# Altium PCB MB1428.PcbDoc (part 5 of 7) (continued)
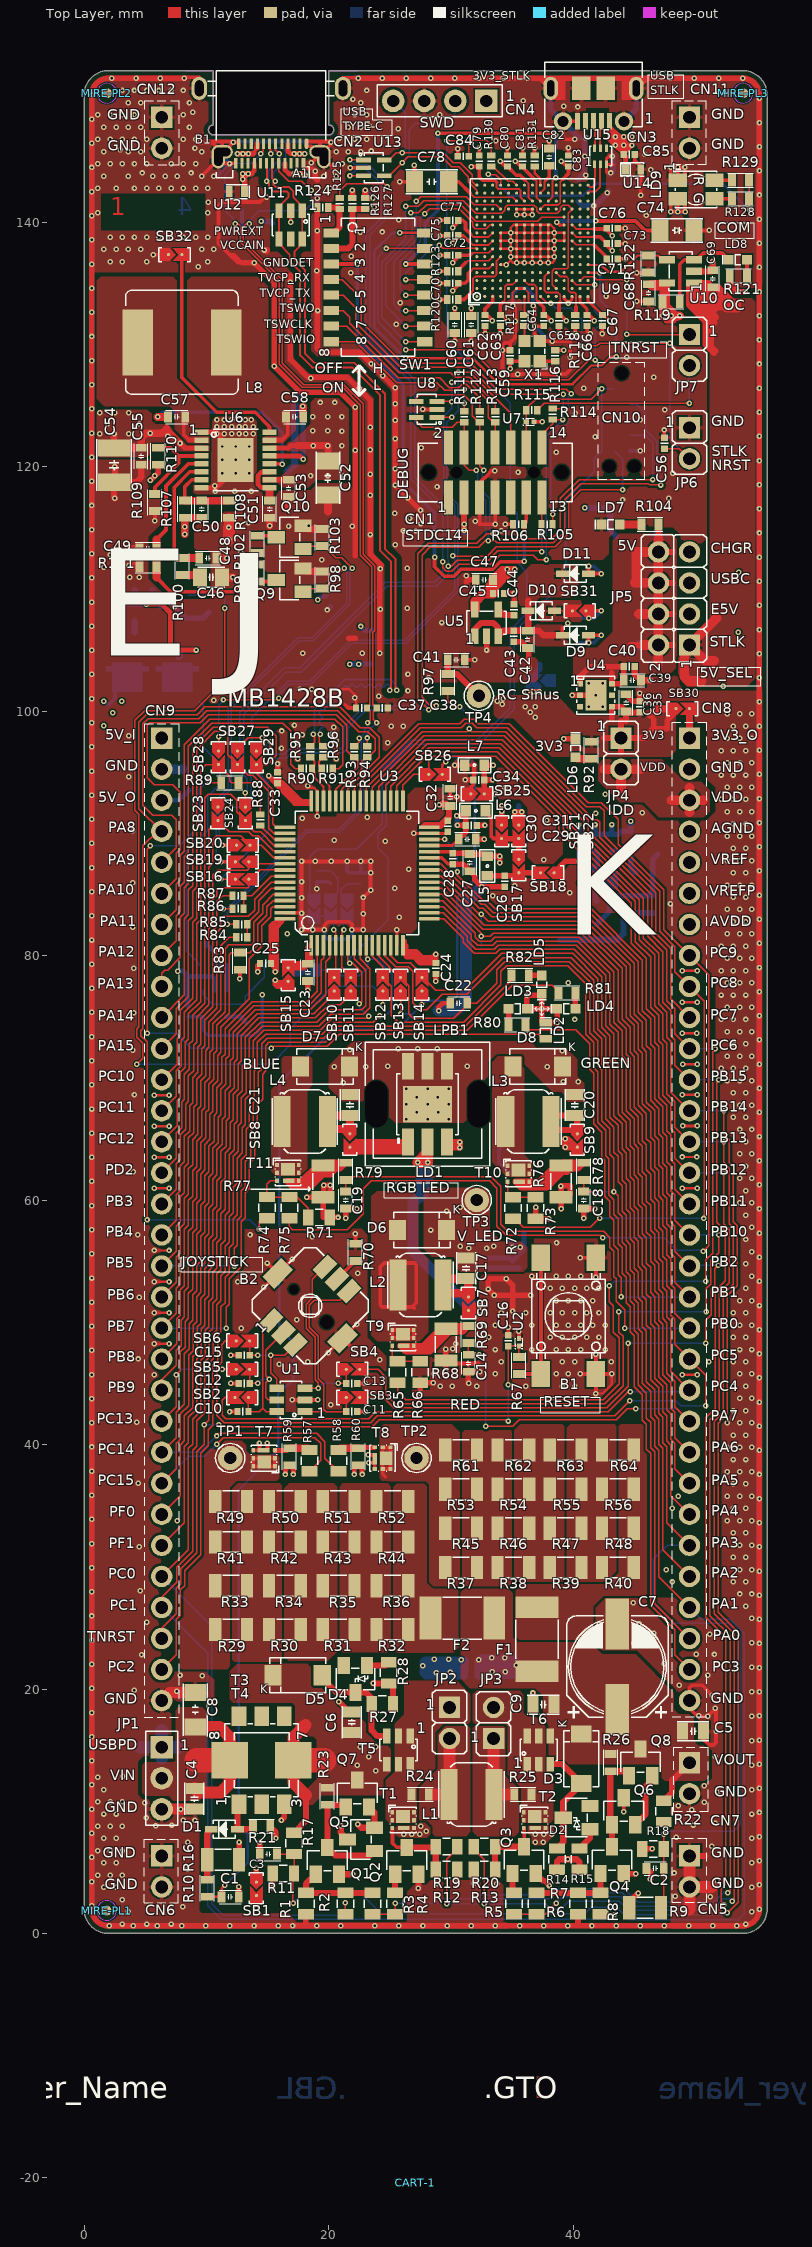
[diagram p0: Top Layer view]
## Nets (pads, with @x,y where several pads share a name; then routed paths per layer and width w, separated by ;. In a path a pad name is that pad's centre, name@x,y a point inside that pad or via, vN(x,y) a via of type N, cw(c..) or ccw(c..) an arc to the next point about the centre after c; other vN are vias at no path point) (continued)
  Top Layer w0.12: CN9.16@6.35,59.69 7.547,60.887 7.547,62.957 7.879,63.289 7.879,65.359 8.306,65.787 8.306,67.858 8.543,68.094 8.543,70.165 8.955,70.577 8.955,72.648 9.207,72.899 9.207,74.97 10.203,75.966 10.203,82.177 10.535,82.509 10.535,84.575 10.867,84.907 10.867,85.35 11.067,85.55 13.375,85.55 13.475,85.65 SB16.1@13.475,86.25 13.675,86.25 14.175,86.75 14.429,87.004 U3.56@16.439,87.004
PB4: CN9.17 R87.2 | length 30.6
  Top Layer w0.12: CN9.17@6.35,57.15 7.547,58.347 7.547,60.417 7.879,60.749 7.879,62.82 8.211,63.152 8.211,65.222 8.638,65.649 8.638,67.72 8.875,67.957 8.875,70.027 9.287,70.44 9.287,72.51 9.539,72.762 9.539,74.832 10.535,75.828 10.535,82.04 10.867,82.372 10.867,84.437 11.33,84.9 R87.2@12.15,84.9
PB5: CN9.18 R82.2 U3.58 | length 85.4
  Top Layer w0.12: CN9.18@6.35,54.61 7.547,55.807 7.547,57.877 7.879,58.209 7.879,60.275 8.211,60.607 8.211,62.682 8.543,63.014 8.543,65.084 8.97,65.512 8.97,67.583 9.207,67.819 9.207,69.89 9.619,70.302 9.619,72.373 9.871,72.624 9.871,74.695 10.867,75.691 10.867,81.902 11.199,82.234 11.199,82.974 11.425,83.2 13.422,83.2 13.947,83.725 13.947,84.622 15.329,86.004 U3.58@16.439,86.004 ; v1(12.3,54.6) 12.3,56.057 12.527,56.284 12.527,58.35 12.859,58.682 12.859,60.757 13.191,61.089 13.191,63.159 13.618,63.586 13.618,65.657 13.855,65.894 13.855,67.965 14.267,68.377 14.267,70.447 14.519,70.699 14.519,72.77 14.986,73.237 19.604,73.237 20.593,74.226 31.196,74.226 34.975,78.005 R82.2@34.975,78.375
  Bottom Layer w0.12: CN9.18@6.35,54.61 12.29,54.61 v1(12.3,54.6)
PB6: CN9.19 R84.2 | length 32.3
  Top Layer w0.12: CN9.19@6.35,52.07 7.547,53.267 7.547,55.337 7.879,55.669 7.879,57.74 8.211,58.072 8.211,60.137 8.543,60.469 8.543,62.545 8.875,62.877 8.875,64.947 9.302,65.374 9.302,67.445 9.539,67.682 9.539,69.752 9.951,70.165 9.951,72.235 10.203,72.487 10.203,74.557 11.199,75.553 11.199,80.824 11.875,81.5 R84.2@12.45,81.5
PB7: CN9.20 R81.2 U3.60 | length 97.4
  Top Layer w0.12: CN9.20@6.35,49.53 7.547,50.727 7.547,52.797 7.879,53.129 7.879,55.2 8.211,55.532 8.211,57.602 8.543,57.934 8.543,60 8.875,60.332 8.875,62.407 9.207,62.739 9.207,64.809 9.634,65.237 9.634,67.308 9.871,67.544 9.871,69.615 10.283,70.027 10.283,72.098 10.535,72.349 10.535,74.42 11.531,75.416 11.531,80.581 11.825,80.875 13.715,80.875 13.877,81.037 13.877,82.716 14.611,83.45 14.611,84.125 15.49,85.004 U3.60@16.439,85.004 ; v1(11.63,49.53) 11.63,51.246 11.863,51.479 11.863,53.55 12.859,54.546 12.859,58.212 13.191,58.544 13.191,60.62 13.523,60.952 13.523,63.022 13.95,63.449 13.95,65.52 14.187,65.757 14.187,67.827 14.599,68.239 14.599,70.31 14.851,70.562 14.851,72.632 15.124,72.905 19.742,72.905 20.731,73.894 31.333,73.894 35.014,77.575 38.3,77.575 38.8,77.075 R81.2@38.8,76.95
  Bottom Layer w0.12: CN9.20@6.35,49.53 v1(11.63,49.53)
PB8: CN9.21 R83.2 U3.61 | length 43.2
  Top Layer w0.12: CN9.21@6.35,46.99 7.6,48.24 7.6,50.31 7.879,50.589 7.879,52.66 8.211,52.992 8.211,55.062 8.543,55.394 8.543,57.465 8.875,57.797 8.875,59.862 9.207,60.194 9.207,62.27 9.539,62.602 9.539,64.672 9.966,65.099 9.966,67.17 10.203,67.407 10.203,69.477 10.615,69.89 10.615,71.96 10.867,72.212 10.867,74.282 11.863,75.278 11.863,80.075 12.038,80.25 R83.2@12.75,80.25 13.559,80.25 14.209,80.9 14.209,82.578 14.943,83.312 14.943,83.988 15.459,84.504 U3.61@16.439,84.504
PB9: CN9.22 U3.62 | length 44.3
  Top Layer w0.12: CN9.22@6.35,44.45 6.35,45.297 7.55,46.497 7.55,47.72 7.932,48.102 7.932,50.173 8.211,50.452 8.211,52.522 8.543,52.854 8.543,54.925 8.875,55.257 8.875,57.327 9.207,57.659 9.207,59.725 9.539,60.057 9.539,62.132 9.871,62.464 9.871,64.534 10.298,64.962 10.298,67.033 10.535,67.269 10.535,69.34 10.947,69.752 10.947,71.823 11.199,72.074 11.199,74.145 13.522,76.468 13.522,79.743 14.541,80.762 14.541,82.441 15.275,83.175 15.275,83.85 15.429,84.004 U3.62@16.439,84.004
PB10: CN8.17 SB4.2 U3.30 | length 93.3
  Top Layer w0.12: SB4.2@22.55,46.15 24.05,46.15 24.675,45.525 24.675,44.125 25.457,43.343 42.613,43.343 44.095,44.825 44.095,48.861 43.75,49.206 v1(43.75,50.85) ; U3.30@28.239,89.504 v1(29.489,89.504) ; v1(30.55,86.85) 30.55,86.591 32.614,84.527 32.925,84.527 33.627,83.825 41.489,83.825 45.677,79.637 45.677,75.496 46.341,74.832 46.341,72.762 46.673,72.43 46.673,68.289 47.337,67.625 47.337,65.554 47.669,65.222 47.669,63.152 48.001,62.82 48.001,60.749 48.333,60.417 48.333,58.347 CN8.17@49.53,57.15 ; v1(50.9,50.85) 50.9,52.775 51.255,53.13 51.255,55.035 51.925,55.705 v1(51.925,57.15)
  Bottom Layer w0.12: v1(29.489,89.504) 30.55,88.443 v1(30.55,86.85) ; v1(43.75,50.85) v1(50.9,50.85) ; CN8.17@49.53,57.15 v1(51.925,57.15)
PB11: CN8.16 SB26.1 U3.33 | length 53.8
  Top Layer w0.12: U3.33@26.089,92.654 26.089,93.934 26.979,94.825 SB26.1@28.2,94.825 28.2,96.046 28.48,96.326 33.675,96.326 38.854,91.147 38.854,90.212 44.769,84.297 44.769,81.015 46.009,79.775 46.009,75.634 46.673,74.97 46.673,72.899 47.005,72.567 47.005,68.426 47.669,67.762 47.669,65.692 48.001,65.36 48.001,63.289 48.333,62.957 48.333,60.887 CN8.16@49.53,59.69
PB12: CN8.15 R3.1 R4.1 U3.34 | length 146.1
  Top Layer w0.12: R3.1@23.6,1.575 R4.1@25.45,1.575 v1(25.45,2.475) ; U3.34@25.589,92.654 25.589,93.904 28.343,96.658 33.813,96.658 39.186,91.285 39.186,90.35 45.101,84.435 45.101,81.152 46.341,79.912 46.341,75.771 47.005,75.107 47.005,73.037 47.337,72.705 47.337,68.564 48.001,67.9 48.001,65.829 48.333,65.497 48.333,63.427 CN8.15@49.53,62.23 ; v1(52.325,62.225) 52.325,58.07 52.782,57.613 52.782,53.248 51.969,52.435 51.969,42.799 51.207,42.037 51.207,26.009 52.847,24.369 52.847,3.497 52.675,3.325 v1(52.65,3.325)
  Bottom Layer w0.12: v1(25.45,2.475) 28.89,2.475 29.27,2.855 32.113,2.855 32.445,3.187 38.042,3.187 38.505,3.65 44.178,3.65 45.282,2.546 51.529,2.546 52.308,3.325 v1(52.65,3.325) ; CN8.15@49.53,62.23 52.32,62.23 v1(52.325,62.225)
PB13: CN8.14 R19.1 U3.35 | length 146.2
  Top Layer w0.12: U3.35@25.089,92.654 25.089,93.874 28.205,96.99 33.95,96.99 39.518,91.422 39.518,90.487 45.433,84.572 45.433,81.29 46.673,80.05 46.673,75.909 47.337,75.245 47.337,73.174 47.669,72.842 47.669,68.701 48.333,68.037 48.333,65.967 CN8.14@49.53,64.77 ; v1(29.675,2.45) 29.675,6.075 30.525,6.925 R19.1@30.525,7.1 ; v1(52.325,64.765) 52.325,63.075 52.788,62.612 52.788,58.077 53.114,57.75 53.114,53.111 52.301,52.298 52.301,42.662 51.539,41.9 51.539,26.147 53.179,24.507 53.179,2.804 v1(53.025,2.65)
  Bottom Layer w0.12: v1(29.675,2.45) 32.177,2.45 32.582,2.855 38.18,2.855 38.643,3.318 44.041,3.318 45.145,2.214 51.666,2.214 52.302,2.85 52.825,2.85 v1(53.025,2.65) ; CN8.14@49.53,64.77 v1@52.32,64.77
PB14: CN8.13 R20.2 U3.36 | length 145
  Top Layer w0.12: U3.36@24.589,92.654 24.667,92.732 24.667,93.921 28.068,97.322 34.088,97.322 39.85,91.56 39.85,90.625 45.765,84.71 45.765,81.427 47.005,80.187 47.005,76.046 47.669,75.382 47.669,73.312 48.001,72.98 48.001,68.839 CN8.13@49.53,67.31 ; R20.2@31.875,7.1 31.875,6.925 32.75,6.05 v1(32.75,2.45) ; v1(52.325,67.305) 52.325,65.425 52.8,64.95 52.8,63.07 53.12,62.75 53.12,58.214 53.446,57.888 53.446,52.973 52.633,52.16 52.633,42.524 51.871,41.762 51.871,26.284 53.511,24.644 53.511,2.561 52.625,1.675 v1(52.625,1.7)
  Bottom Layer w0.12: v1(32.75,2.45) 37.775,2.45 38.2,2.025 39.025,2.025 39.654,2.654 43.766,2.654 44.87,1.55 52.475,1.55 v1(52.625,1.7) ; CN8.13@49.53,67.31 v1@52.32,67.31
PB15: CN8.12 R5.2 R6.2 U3.37 | length 137.3
  Top Layer w0.12: U3.37@24.089,92.654 24.089,93.813 27.93,97.654 34.225,97.654 40.875,91.004 40.875,90.07 46.097,84.848 46.097,81.565 47.337,80.325 47.337,76.184 48.001,75.52 48.001,73.449 48.333,73.117 48.333,71.047 CN8.12@49.53,69.85 ; R5.2@35.175,1.575 R6.2@37.025,1.575 37.725,1.575 v1(38.625,2.475) ; v1(51.925,69.85) 51.751,69.676 51.751,58.174 52.45,57.475 52.45,53.386 51.637,52.573 51.637,42.937 50.875,42.175 50.875,25.872 52.515,24.232 52.515,4.04 52.112,3.637 52.112,2.613 v1(52.375,2.35)
  Bottom Layer w0.12: v1(38.625,2.475) 39.136,2.986 43.903,2.986 45.007,1.882 51.907,1.882 v1(52.375,2.35) ; CN8.12@49.53,69.85 v1(51.925,69.85)
PC0: CN9.28 R2.1 U3.8 | length 104.8
  Top Layer w0.12: CN9.28@6.35,29.21 8.543,31.403 8.543,39.684 8.875,40.016 8.875,42.087 9.542,42.754 9.542,46.895 9.924,47.277 9.924,49.348 10.203,49.627 10.203,51.697 10.535,52.029 10.535,54.1 10.867,54.432 10.867,56.502 11.199,56.834 11.199,58.9 11.531,59.232 11.531,61.307 11.863,61.639 11.863,63.709 12.29,64.137 12.29,66.207 12.527,66.444 12.527,68.515 12.939,68.927 12.939,70.997 13.191,71.249 13.191,73.32 14.436,74.565 19.054,74.565 20.043,75.554 22.712,75.554 23.046,75.888 23.046,78.796 22.089,79.753 U3.8@22.089,80.854 ; R2.1@21.375,1.575 v1(21.375,2.525)
  Bottom Layer w0.12: CN9.28@6.35,29.21 10.432,25.128 10.432,2.413 11.366,1.479 20.976,1.479 21.375,1.878 v1(21.375,2.525)
PC1: CN9.29 R8.2 U3.9 | length 127
  Top Layer w0.12: CN9.29@6.35,26.505 CN9.29@6.35,26.67 6.35,27.517 7.575,28.742 7.575,29.965 8.875,31.265 8.875,39.547 9.207,39.879 9.207,41.95 9.874,42.617 9.874,46.758 10.256,47.14 10.256,49.21 10.535,49.489 10.535,51.56 10.867,51.892 10.867,53.962 11.199,54.294 11.199,56.365 11.531,56.697 11.531,58.762 11.863,59.094 11.863,61.17 12.195,61.502 12.195,63.572 12.622,63.999 12.622,66.07 12.859,66.307 12.859,68.377 13.271,68.789 13.271,70.86 13.523,71.112 13.523,73.182 14.574,74.233 19.192,74.233 20.181,75.222 22.849,75.222 23.378,75.751 23.378,78.934 22.589,79.723 U3.9@22.589,80.854 ; R8.2@42.25,1.575 42.275,1.55 v1(43.375,1.55)
  Bottom Layer w0.12: CN9.29@6.35,26.67 10.1,22.92 10.1,2.276 11.229,1.147 42.997,1.147 43.375,1.525 v1(43.375,1.55)
PC2: CN9.31 SB33.2 U3.10 | length 78.7
  Top Layer w0.12: CN9.31@6.35,21.59 7.55,22.79 7.55,25.708 7.879,26.037 7.879,28.107 8.239,28.467 8.239,29.69 9.539,30.99 9.539,39.272 10.17,39.902 10.17,41.194 10.538,41.563 10.538,46.483 10.92,46.865 10.92,48.935 11.199,49.214 11.199,51.285 11.531,51.617 11.531,53.687 11.863,54.019 11.863,56.09 12.195,56.422 12.195,58.487 12.527,58.819 12.527,60.895 12.859,61.227 12.859,63.297 13.286,63.724 13.286,65.795 13.523,66.032 13.523,68.102 13.935,68.514 13.935,70.585 14.187,70.837 14.187,72.907 14.849,73.569 19.467,73.569 20.456,74.558 23.658,74.558 v1(24.175,75.075) ; v1@23.089,79.788 U3.10@23.089,80.854 ; v1@23.201,79.675 v1(23.201,79.704)
  Bottom Layer w0.12: SB33.2@18.825,78.825 20.55,78.825 21.025,78.35 22.525,78.35 23.201,79.026 v1(23.201,79.704) 23.996,79.704 25.225,78.475 25.225,75.65 24.65,75.075 v1(24.175,75.075)
PC3: CN8.31 SB12.2 U3.11 | length 85.3
  Top Layer w0.12: U3.11@23.589,80.854 23.589,79.936 24.439,79.086 SB12.2@24.439,78.204 25.139,77.504 25.139,75.111 25.692,74.558 31.058,74.558 34.1,77.6 34.1,78.705 34.572,79.177 39.564,79.177 41.029,77.712 41.029,73.571 41.693,72.907 41.693,70.837 42.025,70.505 42.025,66.364 42.689,65.7 42.689,63.629 42.925,63.393 42.925,60.45 43.353,60.022 43.353,58.824 43.685,58.492 43.685,56.422 44.017,56.09 44.017,54.019 44.349,53.687 44.349,51.617 44.681,51.285 44.681,49.214 45.013,48.882 45.013,44.741 45.677,44.077 45.677,42.007 46.009,41.675 46.009,39.604 46.341,39.272 46.341,26.849 48.333,24.857 48.333,22.787 CN8.31@49.53,21.59
PC4: CN8.22 SB2.2 U3.22 | length 96.9
  Top Layer w0.12: SB2.2@12.35,43.85 11.55,43.85 11.325,43.625 11.325,42.4 11.597,42.128 23.303,42.128 23.854,42.679 42.888,42.679 44.534,44.325 v1(44.7,44.325) ; U3.22@28.239,85.504 29.275,85.504 32.614,82.165 40.802,82.165 44.017,78.95 44.017,74.809 44.681,74.145 44.681,72.074 45.013,71.742 45.013,67.601 45.677,66.937 45.677,64.867 46.009,64.535 46.009,62.464 46.341,62.132 46.341,60.062 46.673,59.73 46.673,57.659 47.005,57.327 47.005,55.257 47.337,54.925 47.337,52.854 47.669,52.522 47.669,50.452 48.001,50.12 48.001,45.979 CN8.22@49.53,44.45
  Bottom Layer w0.12: v1(44.7,44.325) 49.405,44.325 CN8.22@49.53,44.45
PC5: CN8.21 SB6.1 U3.23 | length 106
  Top Layer w0.12: SB6.1@12.45,48.475 11.55,48.475 11.252,48.177 11.252,46.727 10.87,46.345 10.87,42.385 11.459,41.796 23.441,41.796 23.992,42.347 43.397,42.347 v1(44.65,43.6) ; U3.23@28.239,86.004 29.244,86.004 32.751,82.497 40.939,82.497 44.349,79.087 44.349,74.946 45.013,74.282 45.013,72.212 45.345,71.88 45.345,67.739 46.009,67.075 46.009,65.004 46.341,64.672 46.341,62.602 46.673,62.27 46.673,60.199 47.005,59.867 47.005,57.797 47.337,57.465 47.337,55.394 47.669,55.062 47.669,52.992 48.001,52.66 48.001,50.589 48.333,50.257 48.333,48.187 CN8.21@49.53,46.99 50.85,45.67 v1(50.85,43.175)
  Bottom Layer w0.12: v1(44.65,43.6) 48.4,43.6 48.825,43.175 v1(50.85,43.175)
PC6: CN8.11 R65.1 U3.38 | length 103
  Top Layer w0.12: U3.38@23.589,92.654 23.589,93.782 27.793,97.986 34.363,97.986 41.232,91.117 41.232,90.182 46.429,84.985 46.429,81.702 47.669,80.462 47.669,76.321 48.333,75.657 48.333,73.587 CN8.11@49.53,72.39 ; R65.1@25.65,45.05 25.65,44.35 26.325,43.675 42.475,43.675 43.763,44.963 43.763,48.723 43.3,49.186 43.3,51.35 42.975,51.675 v1(42.975,52.975) ; v1(50.85,53.375) 50.85,55.1 51.419,55.669 51.419,72.144 v1(51.65,72.375)
  Bottom Layer w0.12: v1(42.975,52.975) 43.375,53.375 v1(50.85,53.375) ; CN8.11@49.53,72.39 49.545,72.375 v1(51.65,72.375)
PC7: CN8.10 R97.1 U3.39 | length 48.5
  Top Layer w0.12: U3.39@23.089,92.654 23.089,93.752 27.655,98.318 31.318,98.318 31.525,98.525 31.732,98.318 34.5,98.318 41.688,91.13 41.968,91.13 42.205,90.893 42.205,89.679 46.761,85.123 46.761,81.84 48.001,80.6 48.001,76.459 CN8.10@49.53,74.93 ; R97.1@29.75,101.65 29.75,100.85 30.25,100.35 v1(30.75,100.35)
  Bottom Layer w0.12: v1(30.75,100.35) 31.525,99.575 v1(31.525,98.55)
PC8: CN8.9 R72.1 U3.40 | length 79.1
  Top Layer w0.12: U3.40@22.589,92.654 22.589,93.721 27.518,98.65 30.875,98.65 31.225,99 31.775,99 32.125,98.65 34.638,98.65 41.095,92.193 42.182,92.193 42.537,91.838 42.537,89.816 47.093,85.26 47.093,81.977 48.333,80.737 48.333,78.667 CN8.9@49.53,77.47 50.727,76.273 50.727,58.538 v1(50.682,58.493) ; R72.1@35.095,58.475 35.25,58.475 35.947,57.778 41.403,57.778 42.175,58.55 v1(42.2,58.525)
  Bottom Layer w0.12: v1(42.2,58.525) 42.232,58.493 v1(50.682,58.493)
PC9: CN8.8 R75.1 U3.41 | length 108.8
  Top Layer w0.12: R75.1@16.8,58.5 16.8,57.825 17.05,57.575 21.525,57.575 22.825,58.875 22.825,60.925 23.475,61.575 33.18,61.575 33.775,60.98 33.775,57.866 34.527,57.114 42.261,57.114 42.475,56.9 v1(42.425,56.9) ; U3.41@22.089,92.654 22.089,93.691 27.38,98.982 30.737,98.982 31.087,99.332 31.913,99.332 32.263,98.982 34.775,98.982 41.232,92.525 42.32,92.525 43.7,91.145 43.7,89.123 47.425,85.398 47.425,82.115 CN8.8@49.53,80.01 51.087,78.453 51.087,56.262 v1(50.65,55.825)
  Bottom Layer w0.12: v1(42.425,56.9) 47.45,56.9 48.475,55.875 50.65,55.875 v1(50.65,55.825)
PC10: CN9.12 SB24.2 U3.52 | length 33.6
  Top Layer w0.12: CN9.12@6.35,69.85 7.627,71.127 7.627,73.198 7.879,73.449 7.879,75.52 8.875,76.516 8.875,82.727 9.207,83.059 9.207,85.125 9.539,85.457 9.539,87.512 9.871,87.844 9.871,92.921 10.15,93.2 12,93.2 12.5,92.7 12.5,91.75 SB24.2@13.2,91.05 13.2,90.85 13.927,90.123 14.435,90.123 15.554,89.004 U3.52@16.439,89.004
PC11: CN9.13 SB23.2 U3.53 | length 32.2
  Top Layer w0.12: CN9.13@6.35,67.31 7.547,68.507 7.547,70.577 7.959,70.99 7.959,73.06 8.211,73.312 8.211,75.382 9.207,76.378 9.207,82.59 9.539,82.922 9.539,84.987 9.871,85.319 9.871,87.375 10.203,87.707 10.203,90.303 SB23.2@10.95,91.05 11.875,90.125 13.455,90.125 13.789,89.791 14.267,89.791 15.476,88.582 16.361,88.582 U3.53@16.439,88.504
PC12: CN9.14 SB20.2 U3.54 | length 33.2
  Top Layer w0.12: CN9.14@6.35,64.77 7.642,66.062 7.642,68.133 7.879,68.369 7.879,70.44 8.291,70.852 8.291,72.923 8.543,73.174 8.543,75.245 9.539,76.241 9.539,82.452 9.871,82.784 9.871,84.85 10.203,85.182 10.203,87.237 10.535,87.569 10.535,89.485 10.843,89.793 12.807,89.793 SB20.2@13.575,89.025 14.5,89.025 15.521,88.004 U3.54@16.439,88.004
PC13: CN9.23 SB5.1 U3.2 | length 51.9
  Top Layer w0.12: CN9.23@6.35,41.91 7.547,43.107 7.547,45.722 v1(7.55,45.725) 7.882,46.057 7.882,47.583 8.264,47.965 8.264,50.035 8.543,50.314 8.543,52.385 8.875,52.717 8.875,54.787 9.207,55.119 9.207,57.19 9.539,57.522 9.539,59.587 9.871,59.919 9.871,61.995 10.203,62.327 10.203,64.397 10.63,64.824 10.63,66.895 10.867,67.132 10.867,69.202 11.279,69.615 11.279,71.685 11.531,71.937 11.531,74.007 13.749,76.225 18.225,76.225 19.089,77.089 U3.2@19.089,80.854 ; v1(11.3,46.15) SB5.1@12.45,46.15
  Bottom Layer w0.12: v1(7.55,45.725) 7.975,46.15 v1(11.3,46.15)
PC14: CN9.24 R58.1 U3.3 | length 66.7
  Top Layer w0.12: CN9.24@6.35,39.37 7.547,40.567 7.547,42.637 8.214,43.304 8.214,47.445 8.596,47.827 8.596,49.898 8.875,50.177 8.875,52.247 9.207,52.579 9.207,54.65 9.539,54.982 9.539,57.052 9.871,57.384 9.871,59.45 10.203,59.782 10.203,61.857 10.535,62.189 10.535,64.259 10.962,64.687 10.962,66.758 11.199,66.994 11.199,69.065 11.611,69.477 11.611,71.548 11.863,71.799 11.863,73.87 13.886,75.893 18.363,75.893 19.421,76.951 19.421,79.636 19.589,79.804 U3.3@19.589,80.854 ; v1(10.85,40.7) 11.057,40.907 19.022,40.907 19.704,40.225 19.704,38.896 R58.1@20.8,37.8
  Bottom Layer w0.12: CN9.24@6.35,39.37 9.52,39.37 v1(10.85,40.7)
PC15: CN9.25 R57.1 U3.4 | length 69.8
  Top Layer w0.12: CN9.25@6.35,36.83 7.547,38.027 7.547,40.097 7.687,40.237 7.879,40.429 7.879,42.5 8.546,43.167 8.546,47.308 8.928,47.69 8.928,49.76 9.207,50.039 9.207,52.11 9.539,52.442 9.539,54.512 9.871,54.844 9.871,56.915 10.203,57.247 10.203,59.312 10.535,59.644 10.535,61.72 10.867,62.052 10.867,64.122 11.294,64.549 11.294,66.62 11.531,66.857 11.531,68.927 11.943,69.34 11.943,71.41 12.195,71.662 12.195,73.732 14.024,75.561 18.5,75.561 19.753,76.814 19.753,79.498 20.089,79.834 U3.4@20.089,80.854 ; v1(10.85,40.025) 11.4,40.575 18.885,40.575 19.372,40.088 19.372,38.722 R57.1@18.45,37.8
  Bottom Layer w0.12: CN9.25@6.35,36.83 8.558,39.038 9.863,39.038 v1(10.85,40.025)
PD2: CN9.15 SB19.1 U3.55 | length 32.9
  Top Layer w0.12: CN9.15@6.35,62.23 7.547,63.427 7.547,65.497 7.7,65.65 ; 7.7,65.65 7.974,65.925 7.974,67.995 8.211,68.232 8.211,70.302 8.623,70.715 8.623,72.785 8.875,73.037 8.875,75.107 9.871,76.103 9.871,82.315 10.203,82.647 10.203,84.712 10.535,85.044 10.535,86.585 10.945,86.995 13.37,86.995 13.475,87.1 SB19.1@13.475,87.675 13.646,87.504 U3.55@16.439,87.504
PF0: CN9.26 SB10.1 | length 51.4
  Top Layer w0.12: CN9.26@6.35,34.29 7.879,35.819 7.879,39.959 8.211,40.291 8.211,42.362 8.878,43.029 8.878,47.17 9.26,47.552 9.26,49.623 9.539,49.902 9.539,51.972 9.871,52.304 9.871,54.375 10.203,54.707 10.203,56.777 10.535,57.109 10.535,59.175 10.867,59.507 10.867,61.582 11.199,61.914 11.199,63.984 11.626,64.412 11.626,66.483 11.863,66.719 11.863,68.79 12.275,69.202 12.275,71.272 12.527,71.524 12.527,73.595 14.161,75.229 18.779,75.229 20.464,76.914 SB10.1@20.464,77.104
PF1: CN9.27 SB11.1 | length 55
  Top Layer w0.12: CN9.27@6.35,31.75 8.211,33.611 8.211,39.822 8.543,40.154 8.543,42.225 9.21,42.892 9.21,47.033 9.592,47.415 9.592,49.485 9.871,49.764 9.871,51.835 10.203,52.167 10.203,54.237 10.535,54.569 10.535,56.64 10.867,56.972 10.867,59.037 11.199,59.369 11.199,61.445 11.531,61.777 11.531,63.847 11.958,64.274 11.958,66.345 12.195,66.582 12.195,68.652 12.607,69.064 12.607,71.135 12.859,71.387 12.859,73.457 14.299,74.897 18.917,74.897 20.02,76 20.95,76 21.814,76.864 SB11.1@21.814,77.104
PLDO_LDO: C51.1 U6.9 U6.11 | length 3.9
  Top Layer w0.3: 15.175,117.975 U6.9@15.175,118.275
  Top Layer w0.4: U6.9@15.175,118.275 14.5,118.275 14.225,118.55 14.225,119.25 14.55,119.575 U6.11@15.175,119.575
  Top Layer w0.65: C51.1@15.175,117.225 15.175,117.975
PROG: C49.2 R99.2 R101.2 R102.2 U6.5 | length 22.4
  Top Layer w0.3: 5.925,110.925 7.075,109.775 12.25,109.775 13.1,110.625 13.1,111.125 13.975,112 R99.2@14.175,112 R102.2@14.175,112.95 ; 5.925,114.05 6.7,114.825 6.7,118.412 8.513,120.225 U6.5@9.625,120.225
  Top Layer w0.65: 5.925,110.925 R101.2@5.925,111.9 C49.2@5.925,113.275 5.925,114.05
RED_LED_K: LD1.2 SB7.2 | length 28.2
  Top Layer w0.45: SB7.2@31.55,50.975 v1@32.3,50.975 ; SB7.2@31.55,50.975 31.925,51.35 v1(32.375,51.35) v1@32.375,51.05 ; SB7.2@31.55,50.975 SB7.2@31.45,50.975 31.525,50.9 v1(32.375,50.9) ; v1@32.3,50.975 v1@32.375,51.05 ; v1@32.3,50.975 v1(32.375,50.9) ; v1(32.375,50.9) v1@32.375,51.05
  Top Layer w0.9: LD1.2@28.1,64.75 LD1.2@28.1,63.875 ; LD1.2@28.1,63.875 v1(27.3,63.075) v1(28.1,63.075) LD1.2@28.1,63.875
  Signal Layer 2 w0.9: v1(27.3,63.075) v1(28.1,63.075) ; v1(32.375,50.9) v1(32.375,51.35)
  Bottom Layer w0.9: 27.55,60.375 27.55,63.075 v1(28.1,63.075) 28.1,60.925 27.55,60.375 ; 27.55,60.375 26.925,59.75 26.925,55.85 31.425,51.35 ; 31.425,51.35 v1(32.375,51.35) v1(32.375,50.9) 31.875,50.9 31.425,51.35
RUN: R109.2 R110.1 U6.4 | length 7.8
  Top Layer w0.3: R109.2@5.8,117.775 5.8,118.325 7.75,120.275 7.75,120.875 ; R110.1@6.05,121.55 7.075,121.55 7.75,120.875 ; U6.4@9.625,120.875 7.75,120.875
STLK_MCO: R130.1 U9.F15 | length 2.7
  Top Layer w0.12: R130.1@33.305,144.55 33.494,144.55 34.707,143.337 35.067,143.337 U9.F15@35.38,143.025
STLK_SWCLK: CN4.2 U9.A14 U13.4 | length 17.9
  Top Layer w0.12: U13.4@24.85,143.8 24.955,143.8 v1(26.025,144.87) 26.498,145.343 29.248,145.343 30.075,144.516 30.648,144.516 31.43,143.734 31.43,143.294 32.13,142.594 U9.A14@32.13,142.375
  Bottom Layer w0.12: v1(26.025,144.87) 26.6,145.445 26.6,147.55 27.15,148.1 29.675,148.1 30.37,148.795 CN4.2@30.37,149.925
STLK_SWDIO: CN4.4 U9.A15 U13.5 | length 14
  Top Layer w0.12: U13.5@24.555,145.1 24.955,145.1 25.53,145.675 v1(26.03,145.675) 29.385,145.675 30.212,144.848 30.785,144.848 31.762,143.871 31.762,143.301 32.038,143.025 U9.A15@32.13,143.025
  Bottom Layer w0.12: CN4.4@25.29,149.925 26.268,148.947 26.268,145.913 v1(26.03,145.675)
STLK_VCP_RX: SW1.13 U9.C10 | length 16
  Top Layer w0.12: v1(26.325,134.04) SW1.13@27.86,134.04 SW1.13@27.89,134.04 ; v1(27.88,140.7) 28.284,141.104 30.68,141.104 31.78,140.004 31.78,139.675 31.985,139.47 32.906,139.47 33.211,139.775 U9.C10@33.43,139.775
  Bottom Layer w0.12: v1(26.325,134.04) 25.85,134.515 25.85,136.78 27.503,138.433 27.503,140.323 v1(27.88,140.7)
STLK_VCP_TX: SW1.12 U9.A7 | length 9
  Top Layer w0.12: v1(26.325,135.31) SW1.12@27.86,135.31 SW1.12@27.915,135.31 ; v1(29.055,138.125) 29.328,137.852 32.13,137.852 U9.A7@32.13,137.825
  Bottom Layer w0.12: v1(26.325,135.31) 26.325,135.82 28.63,138.125 v1(29.055,138.125)
SW1: C58.2 L8.1 U6.15 | length 3.2
  Top Layer w0.3: 16.2,122.175 16.65,122.625 16.65,123.95 C58.2@16.525,124.075
  Top Layer w0.4: U6.15@15.175,122.175 16.2,122.175
SW2: C57.2 L8.2 U6.2 | length 3.2
  Top Layer w0.3: C57.2@8.275,124.075 8.15,123.95 8.15,122.625 8.6,122.175
  Top Layer w0.4: 8.6,122.175 U6.2@9.625,122.175
T_JTDI: CN1.10 SB28.1 U8.1 | length 55.8
  Top Layer w0.12: SB28.1@11,96.725 v1(11,97.9) ; v1(11.406,100.927) 15.802,100.927 v1(15.925,101.05) ; U8.1@28.875,124.032 v1(30.062,124.032) ; v1(30.605,127.724) 31.551,127.724 34.905,124.37 CN1.10@34.905,121.557
  Bottom Layer w0.12: v1(11,97.9) 11,100.488 11.439,100.927 v1(11.406,100.927) ; v1(15.925,101.05) 15.925,101.35 16.785,102.21 18.56,102.21 21.91,105.56 26.335,105.56 30.58,109.805 30.58,116.945 29.68,117.845 29.68,123.65 v1(30.062,124.032) 30.605,124.575 v1@30.605,127.724
T_NRST: C16.2 CN1.12 CN9.30 CN10.10 R67.1 R115.2 U2.1 U3.7 U7.1 | length 172.8
  Top Layer w0.12: CN9.30@6.35,24.13 6.35,24.977 7.547,26.174 7.547,28.245 7.907,28.605 7.907,29.828 9.207,31.128 9.207,39.409 9.838,40.04 v1(9.838,41.638) 10.206,42.006 10.206,46.62 10.588,47.002 10.588,49.073 10.867,49.352 10.867,51.422 11.199,51.754 11.199,53.825 11.531,54.157 11.531,56.227 11.863,56.559 11.863,58.625 12.195,58.957 12.195,61.032 12.527,61.364 12.527,63.434 12.954,63.861 12.954,65.932 13.191,66.169 13.191,68.24 13.603,68.652 13.603,70.722 13.855,70.974 13.855,73.045 14.711,73.901 19.329,73.901 20.318,74.89 23.15,74.89 v1(23.289,75.029) ; v1(11.013,41.638) 11.186,41.464 23.578,41.464 24.129,42.015 34.61,42.015 v1(34.7,41.925) ; U3.7@21.589,80.854 21.589,79.536 21.725,79.4 v1(21.725,79.375) 21.998,79.375 22.714,78.659 22.714,76.214 22.525,76.025 v1(22.525,76.05) ; v1(34.7,44.875) C16.2@34.7,48.05 34.713,48.063 U2.1@35.575,48.063 R67.1@35.575,47.175 ; CN1.12@36.175,121.557 36.175,123.673 U7.1@36.173,123.675 36.173,124.63 R115.2@36.175,124.632 36.175,124.845 36.275,124.845 36.947,125.517 41.507,125.517 v1(42.355,126.365)
  Bottom Layer w0.12: v1(9.838,41.638) v1(11.013,41.638) ; v1(21.725,79.375) 21.725,79.767 24.875,82.917 24.875,87.975 24.025,88.825 24.025,89.98 24.707,90.662 24.707,95.137 26.863,97.293 32.318,97.293 35.182,100.157 35.182,106.482 39.4,110.7 39.4,117.24 41.75,119.59 41.75,120.67 42.355,121.275 v1(42.355,126.365) CN10.10@43.36,126.365 ; v1(22.525,76.05) 22.525,75.793 v1(23.289,75.029) ; v1(34.7,41.925) v1(34.7,44.875)
T_NRSTa: JP7.1 U9.P3 | length 13.7
  Top Layer w0.12: U9.P3@40.58,135.225 40.905,135.55 41.703,135.55 41.953,135.3 v1(44.405,135.3) ; v1(44.405,130.825) 44.42,130.81 JP7.1@49.525,130.81
  Bottom Layer w0.12: v1(44.405,130.825) v1(44.405,135.3)
T_PWR_EN: R122.1 U9.R5 U10.4 | length 7.4
  Top Layer w0.2: U9.R5@41.23,136.525 41.23,136.5 42.305,136.5 42.85,135.955 43.96,135.955 45.28,137.275 R122.1@46.155,137.275 46.955,137.275 47.305,136.925 U10.4@47.705,136.925
T_PWR_EXT: SW1.9 U9.R4 | length 42.3
  Top Layer w0.2: v1(25.83,139.125) 25.805,139.15 SW1.9@27.9,139.15 ; v1(26.305,128.875) 31.775,128.875 33.9,126.75 39.965,126.75 41.49,128.275 42.347,128.275 43.047,128.975 v1(43.555,128.975) ; U9.R4@41.23,135.875 v1(42.205,135.875)
  Bottom Layer w0.2: v1(25.83,139.125) 25.23,139.125 23.734,137.629 23.734,131.421 26.33,128.825 26.355,128.825 v1(26.305,128.875) ; v1(42.205,135.875) 42.225,135.855 42.225,133.58 43.555,132.25 v1(43.555,128.975)